# EAGLE board Mk4 Final Panel 6up 3x2 (EAGLE 9.0.1), part 8 of 18
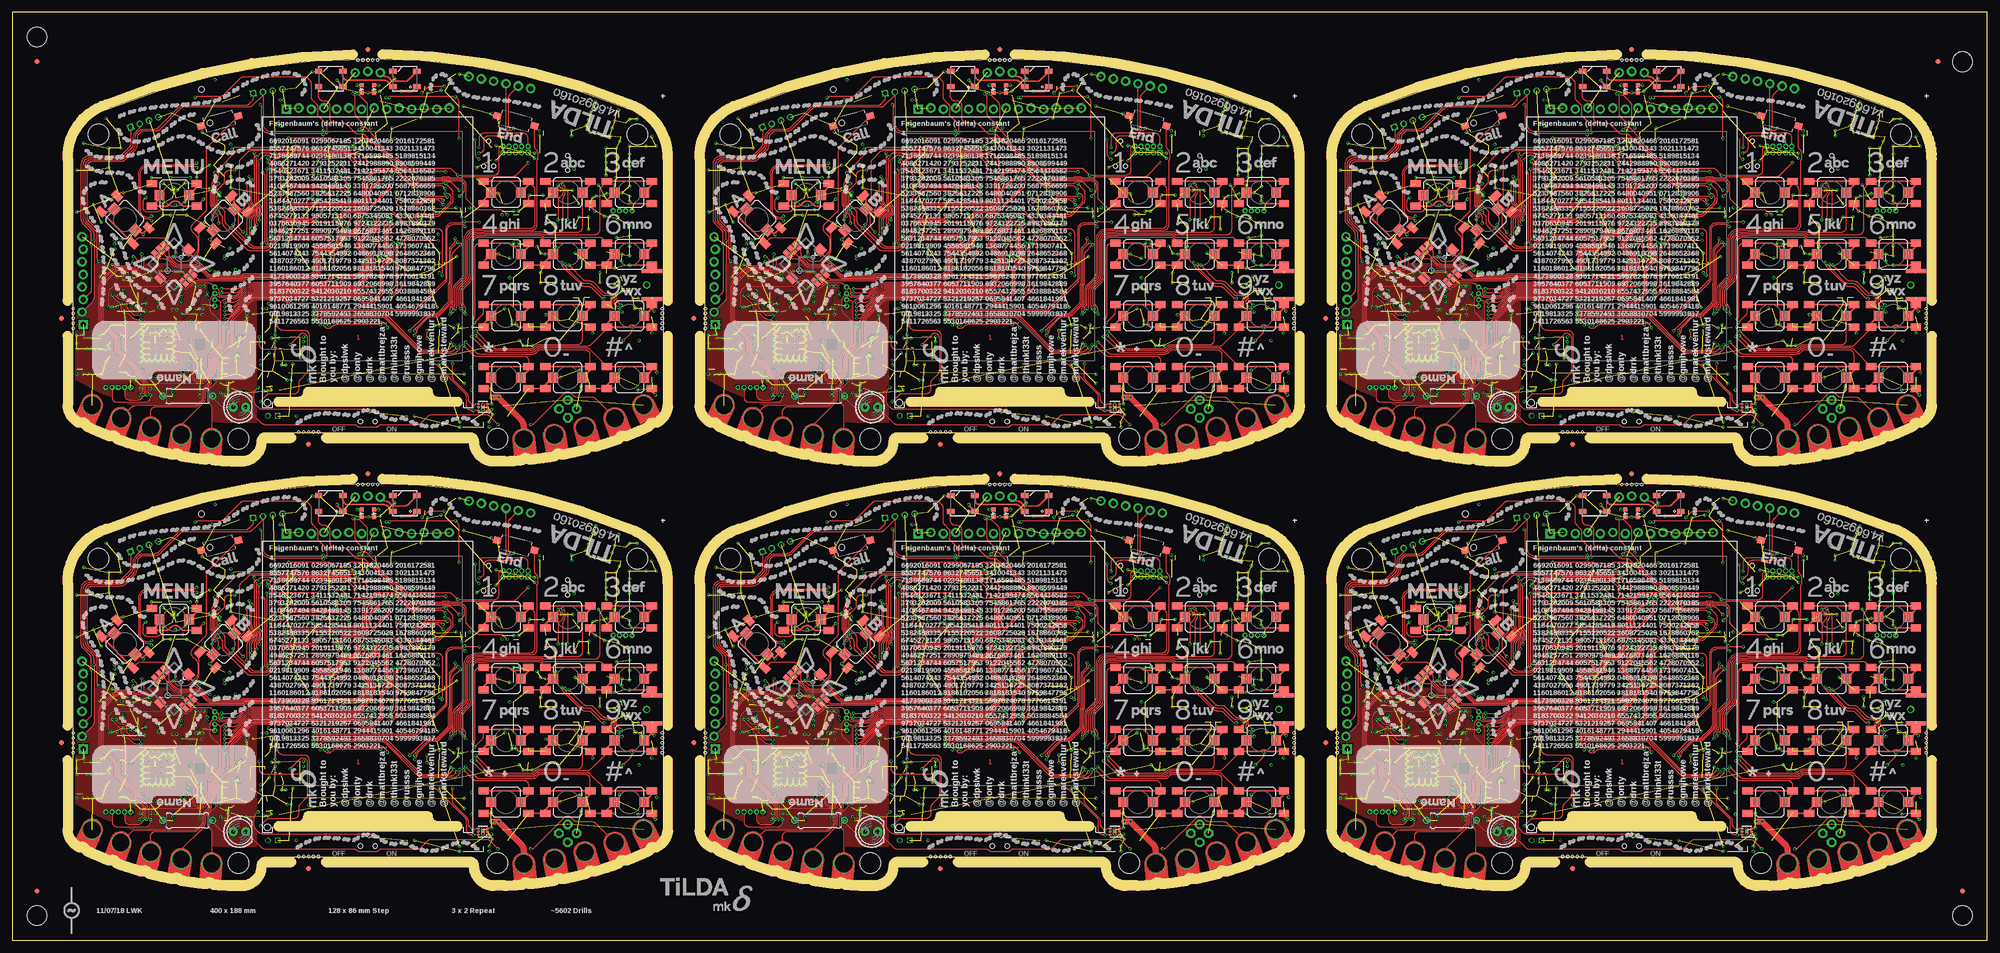
[diagram p0: board, top side]
## Tracks (layer width: path | path; a pad name or v marks a point on that pad's centre or on a via) (continued)
ETHLED5 (continued)
  Bottom 0.15: R164.2 57.5,164.01 arc45 57.79,163.31 57.81,163.29 arc-45 58.1,162.59 58.1,160.07 58.14,160.03 arc-90 58.14,158.97 58.1,158.93 58.1,155.32 58.14,155.28 arc-90 58.14,154.22 58.1,154.18 58.1,152.31 arc45 58.39,151.61 59.01,150.99 arc-45 59.3,150.29 59.3,149.8 arc90 60.3,148.8 IC38.43
ETHLED6
  Bottom 0.15: R241.2 184.5,164.51 arc45 184.79,163.81 185.51,163.09 arc-45 185.8,162.39 185.8,159.94 185.89,159.85 arc-90 185.89,159.15 185.8,159.06 185.8,155.19 185.89,155.1 arc-90 185.89,154.4 185.8,154.31 185.8,152.11 arc45 186.09,151.41 186.61,150.89 arc-45 186.9,150.19 186.9,149.4 arc90 187.9,148.4 IC56.42
ETHLED7
  Bottom 0.15: R242.2 185.5,164.01 arc45 185.79,163.31 185.81,163.29 arc-45 186.1,162.59 186.1,160.07 186.14,160.03 arc-90 186.14,158.97 186.1,158.93 186.1,155.32 186.14,155.28 arc-90 186.14,154.22 186.1,154.18 186.1,152.31 arc45 186.39,151.61 187.01,150.99 arc-45 187.3,150.29 187.3,149.8 arc90 188.3,148.8 IC56.43
ETHLED8
  Bottom 0.15: R319.2 312.5,78.51 arc45 312.79,77.81 313.51,77.09 arc-45 313.8,76.39 313.8,73.94 313.89,73.85 arc-90 313.89,73.15 313.8,73.06 313.8,69.19 313.89,69.1 arc-90 313.89,68.4 313.8,68.31 313.8,66.11 arc45 314.09,65.41 314.61,64.89 arc-45 314.9,64.19 314.9,63.4 arc90 315.9,62.4 IC74.42
ETHLED9
  Bottom 0.15: R320.2 313.5,78.01 arc45 313.79,77.31 313.81,77.29 arc-45 314.1,76.59 314.1,74.07 314.14,74.03 arc-90 314.14,72.97 314.1,72.93 314.1,69.32 314.14,69.28 arc-90 314.14,68.22 314.1,68.18 314.1,66.31 arc45 314.39,65.61 315.01,64.99 arc-45 315.3,64.29 315.3,63.8 arc90 316.3,62.8 IC74.43
ETHLED12
  Bottom 0.15: R475.2 312.5,164.51 arc45 312.79,163.81 313.51,163.09 arc-45 313.8,162.39 313.8,159.94 313.89,159.85 arc-90 313.89,159.15 313.8,159.06 313.8,155.19 313.89,155.1 arc-90 313.89,154.4 313.8,154.31 313.8,152.11 arc45 314.09,151.41 314.61,150.89 arc-45 314.9,150.19 314.9,149.4 arc90 315.9,148.4 IC110.42
ETHLED13
  Bottom 0.15: R476.2 313.5,164.01 arc45 313.79,163.31 313.81,163.29 arc-45 314.1,162.59 314.1,160.07 314.14,160.03 arc-90 314.14,158.97 314.1,158.93 314.1,155.32 314.14,155.28 arc-90 314.14,154.22 314.1,154.18 314.1,152.31 arc45 314.39,151.61 315.01,150.99 arc-45 315.3,150.29 315.3,149.8 arc90 316.3,148.8 IC110.43
FET
  Bottom 0.15: IC1.110 80.78,66 arc45 80.85,66.03 81.09,66.27 arc-45 81.17,66.3 83.58,66.3 arc-90 85.58,64.3 85.58,62.38 arc45 85.72,62.02 85.88,61.86 arc-45 86.03,61.51 86.03,61.25 arc45 86.32,60.54 95.23,51.63 arc-45 95.5,50.98 95.5,50
  Bottom 0.2: R59.1 115.41,25.25 arc-45 114.71,25.54 106.79,33.46 arc45 106.09,33.75 101.11,33.75 arc-45 100.41,34.04 95.79,38.66 arc-45 95.5,39.36 95.5,50
  Bottom 0.3: Q2.1 116.92,25.25 R59.1
FET1
  Bottom 0.15: IC20.110 208.78,66 arc45 208.85,66.03 209.09,66.27 arc-45 209.17,66.3 211.57,66.3 arc-90 213.57,64.3 213.57,62.38 arc45 213.72,62.02 213.88,61.86 arc-45 214.03,61.51 214.03,61.25 arc45 214.32,60.54 223.23,51.63 arc-45 223.5,50.98 223.5,50
  Bottom 0.2: R137.1 243.41,25.25 arc-45 242.71,25.54 234.79,33.46 arc45 234.09,33.75 229.11,33.75 arc-45 228.41,34.04 223.79,38.66 arc-45 223.5,39.36 223.5,50
  Bottom 0.3: Q5.1 244.93,25.25 R137.1
FET2
  Bottom 0.15: IC38.110 80.78,152 arc45 80.85,152.03 81.09,152.27 arc-45 81.17,152.3 83.58,152.3 arc-90 85.58,150.3 85.58,148.38 arc45 85.72,148.02 85.88,147.86 arc-45 86.03,147.51 86.03,147.25 arc45 86.32,146.54 95.23,137.63 arc-45 95.5,136.98 95.5,136
  Bottom 0.2: R215.1 115.41,111.25 arc-45 114.71,111.54 106.79,119.46 arc45 106.09,119.75 101.11,119.75 arc-45 100.41,120.04 95.79,124.66 arc-45 95.5,125.36 95.5,136
  Bottom 0.3: Q10.1 116.92,111.25 R215.1
FET3
  Bottom 0.15: IC56.110 208.78,152 arc45 208.85,152.03 209.09,152.27 arc-45 209.17,152.3 211.57,152.3 arc-90 213.57,150.3 213.57,148.38 arc45 213.72,148.02 213.88,147.86 arc-45 214.03,147.51 214.03,147.25 arc45 214.32,146.54 223.23,137.63 arc-45 223.5,136.98 223.5,136
  Bottom 0.2: R293.1 243.41,111.25 arc-45 242.71,111.54 234.79,119.46 arc45 234.09,119.75 229.11,119.75 arc-45 228.41,120.04 223.79,124.66 arc-45 223.5,125.36 223.5,136
  Bottom 0.3: Q14.1 244.93,111.25 R293.1
FET4
  Bottom 0.15: IC74.110 336.78,66 arc45 336.85,66.03 337.1,66.27 arc-45 337.17,66.3 339.57,66.3 arc-90 341.57,64.3 341.57,62.38 arc45 341.72,62.02 341.88,61.86 arc-45 342.02,61.51 342.02,61.25 arc45 342.32,60.54 351.23,51.63 arc-45 351.5,50.98 351.5,50
  Bottom 0.2: R371.1 371.41,25.25 arc-45 370.71,25.54 362.79,33.46 arc45 362.09,33.75 357.11,33.75 arc-45 356.41,34.04 351.79,38.66 arc-45 351.5,39.36 351.5,50
  Bottom 0.3: Q18.1 372.93,25.25 R371.1
FET6
  Bottom 0.15: IC110.110 336.78,152 arc45 336.85,152.03 337.1,152.27 arc-45 337.17,152.3 339.57,152.3 arc-90 341.57,150.3 341.57,148.38 arc45 341.72,148.02 341.88,147.86 arc-45 342.02,147.51 342.02,147.25 arc45 342.32,146.54 351.23,137.63 arc-45 351.5,136.98 351.5,136
  Bottom 0.2: R527.1 371.41,111.25 arc-45 370.71,111.54 362.79,119.46 arc45 362.09,119.75 357.11,119.75 arc-45 356.41,120.04 351.79,124.66 arc-45 351.5,125.36 351.5,136
  Bottom 0.3: Q26.1 372.93,111.25 R527.1
FET_OUT  (via drill 0.3)
  Top 0.25: LED5.K 50.45,18.82 arc45 51.16,18.52 69.11,18.52 arc-45 69.81,18.23 arc45 70.37,18 73.66,18 arc45 74.16,18.21 arc-45 74.87,18.5 82.09,18.5 arc45 82.79,18.79 84.21,20.21 arc-45 84.91,20.5 95.94,20.5 arc-45 96.64,20.21 v98.35,18.5 | v105,18.5 105.09,18.5 arc45 105.79,18.79 111.5,24.5 111.71,24.71 111.79,24.79 arc-90 113.21,24.79 113.71,24.29 arc45 114.41,24 117.4,24 arc-45 118.11,23.71 PCB.FET
  Bottom 0.25: v98.35,18.5 v105,18.5
  Bottom 0.4: Q2.3 118.92,23.3 arc45 119.22,22.59 120.91,20.91
  Bottom 0.5: 120.91,20.91 PCB.FET
FET_OUT1  (via drill 0.3)
  Top 0.25: LED11.K 178.45,18.82 arc45 179.16,18.52 197.11,18.52 arc-45 197.81,18.23 arc45 198.37,18 201.66,18 arc45 202.16,18.21 arc-45 202.87,18.5 210.09,18.5 arc45 210.79,18.79 212.21,20.21 arc-45 212.91,20.5 223.94,20.5 arc-45 224.64,20.21 v226.35,18.5 | v233,18.5 233.09,18.5 arc45 233.79,18.79 239.79,24.79 arc-90 241.21,24.79 241.71,24.29 arc45 242.41,24 245.4,24 arc-45 246.11,23.71 PCB1.FET
  Bottom 0.25: v226.35,18.5 v233,18.5
  Bottom 0.4: Q5.3 246.93,23.3 arc45 247.22,22.59 248.91,20.91
  Bottom 0.5: 248.91,20.91 PCB1.FET
FET_OUT2  (via drill 0.3)
  Top 0.25: LED17.K 50.45,104.82 arc45 51.16,104.53 69.11,104.53 arc-45 69.81,104.23 arc45 70.37,104 73.66,104 arc45 74.16,104.21 arc-45 74.87,104.5 82.09,104.5 arc45 82.79,104.79 84.21,106.21 arc-45 84.91,106.5 95.94,106.5 arc-45 96.64,106.21 v98.35,104.5 | v105,104.5 105.09,104.5 arc45 105.79,104.79 111.79,110.79 arc-90 113.21,110.79 113.71,110.29 arc45 114.41,110 117.4,110 arc-45 118.11,109.71 PCB2.FET
  Bottom 0.25: v98.35,104.5 v105,104.5
  Bottom 0.4: Q10.3 118.92,109.3 arc45 119.22,108.59 120.91,106.91
  Bottom 0.5: 120.91,106.91 PCB2.FET
FET_OUT3  (via drill 0.3)
  Top 0.25: LED23.K 178.45,104.82 arc45 179.16,104.53 197.11,104.53 arc-45 197.81,104.23 arc45 198.37,104 201.66,104 arc45 202.16,104.21 arc-45 202.87,104.5 210.09,104.5 arc45 210.79,104.79 212.21,106.21 arc-45 212.91,106.5 223.94,106.5 arc-45 224.64,106.21 v226.35,104.5 | v233,104.5 233.09,104.5 arc45 233.79,104.79 239.79,110.79 arc-90 241.21,110.79 241.71,110.29 arc45 242.41,110 245.4,110 arc-45 246.11,109.71 PCB3.FET
  Bottom 0.25: v226.35,104.5 v233,104.5
  Bottom 0.4: Q14.3 246.93,109.3 arc45 247.22,108.59 248.91,106.91
  Bottom 0.5: 248.91,106.91 PCB3.FET
FET_OUT4  (via drill 0.3)
  Top 0.25: LED29.K 306.45,18.82 arc45 307.16,18.52 325.11,18.52 arc-45 325.81,18.23 arc45 326.37,18 329.66,18 arc45 330.16,18.21 arc-45 330.87,18.5 338.09,18.5 arc45 338.79,18.79 340.21,20.21 arc-45 340.91,20.5 351.94,20.5 arc-45 352.64,20.21 v354.35,18.5 | v361,18.5 361.09,18.5 arc45 361.79,18.79 367.79,24.79 arc-90 369.21,24.79 369.71,24.29 arc45 370.41,24 373.4,24 arc-45 374.11,23.71 PCB4.FET
  Bottom 0.25: v354.35,18.5 v361,18.5
  Bottom 0.4: Q18.3 374.93,23.3 arc45 375.22,22.59 376.91,20.91
  Bottom 0.5: 376.91,20.91 PCB4.FET
FET_OUT6  (via drill 0.3)
  Top 0.25: LED41.K 306.45,104.82 arc45 307.16,104.53 325.11,104.53 arc-45 325.81,104.23 arc45 326.37,104 329.66,104 arc45 330.16,104.21 arc-45 330.87,104.5 338.09,104.5 arc45 338.79,104.79 340.21,106.21 arc-45 340.91,106.5 351.94,106.5 arc-45 352.64,106.21 v354.35,104.5 | v361,104.5 361.09,104.5 arc45 361.79,104.79 367.79,110.79 arc-90 369.21,110.79 369.71,110.29 arc45 370.41,110 373.4,110 arc-45 374.11,109.71 PCB6.FET
  Bottom 0.25: v354.35,104.5 v361,104.5
  Bottom 0.4: Q26.3 374.93,109.3 arc45 375.22,108.59 376.91,106.91
  Bottom 0.5: 376.91,106.91 PCB6.FET
FLASH_!CS  (via drill 0.3)
  Top 0.15: v25.75,24.5 26.23,24.98 arc45 26.52,25.69 26.52,26.73 arc45 26.23,27.44 24.9,28.77 arc-45 24.83,28.95 24.83,29.22 arc45 24.75,29.4 21.31,32.84 arc-45 20.8,34.08 20.8,35.29 arc45 20.51,35.99 18.01,38.49 arc-45 17.5,39.73 17.5,46.48 arc-45 18.01,47.71 20.46,50.16 arc-45 21.7,50.67 23.26,50.67 arc45 23.97,50.97 v24.5,51.5
  Bottom 0.15: JP1.3 21.48,24.5 arc90 22.48,23.5 24.34,23.5 arc45 25.04,23.79 v25.75,24.5 26.28,25.03 arc45 26.58,25.74 26.58,28.94 arc-45 26.63,29.08 26.72,29.16 arc45 26.77,29.3 26.77,29.66 26.75,29.68 IC15.14
  Bottom 0.2: R67.1 22.5,50.22 IC14.1 23.34,50.34 v24.5,51.5
FLASH_!CS1  (via drill 0.3)
  Top 0.15: v153.75,24.5 154.23,24.98 arc45 154.53,25.69 154.53,26.73 arc45 154.23,27.44 152.9,28.77 arc-45 152.82,28.95 152.82,29.22 arc45 152.75,29.4 149.31,32.84 arc-45 148.8,34.08 148.8,35.29 arc45 148.51,35.99 146.01,38.49 arc-45 145.5,39.73 145.5,46.48 arc-45 146.01,47.71 148.46,50.16 arc-45 149.7,50.67 151.26,50.67 arc45 151.97,50.97 v152.5,51.5
  Bottom 0.15: JP15.3 149.48,24.5 arc90 150.48,23.5 152.34,23.5 arc45 153.04,23.79 v153.75,24.5 154.28,25.03 arc45 154.57,25.74 154.57,28.94 arc-45 154.63,29.08 154.72,29.16 arc45 154.78,29.3 154.78,29.66 154.75,29.68 IC29.14
  Bottom 0.2: R145.1 150.5,50.22 IC30.1 151.34,50.34 v152.5,51.5
FLASH_!CS2  (via drill 0.3)
  Top 0.15: v25.75,110.5 26.23,110.98 arc45 26.52,111.69 26.52,112.73 arc45 26.23,113.44 24.9,114.78 arc-45 24.83,114.95 24.83,115.22 arc45 24.75,115.4 21.31,118.84 arc-45 20.8,120.08 20.8,121.29 arc45 20.51,121.99 18.01,124.49 arc-45 17.5,125.73 17.5,132.47 arc-45 18.01,133.71 20.46,136.16 arc-45 21.7,136.68 23.26,136.68 arc45 23.97,136.97 v24.5,137.5
  Bottom 0.15: JP24.3 21.48,110.5 arc90 22.48,109.5 24.34,109.5 arc45 25.04,109.79 v25.75,110.5 26.28,111.03 arc45 26.58,111.74 26.58,114.94 arc-45 26.63,115.08 26.72,115.16 arc45 26.77,115.3 26.77,115.66 26.75,115.68 IC47.14
  Bottom 0.2: R223.1 22.5,136.22 IC48.1 23.34,136.34 v24.5,137.5
FLASH_!CS3  (via drill 0.3)
  Top 0.15: v153.75,110.5 154.23,110.98 arc45 154.53,111.69 154.53,112.73 arc45 154.23,113.44 152.9,114.78 arc-45 152.82,114.95 152.82,115.22 arc45 152.75,115.4 149.31,118.84 arc-45 148.8,120.08 148.8,121.29 arc45 148.51,121.99 146.01,124.49 arc-45 145.5,125.73 145.5,132.47 arc-45 146.01,133.71 148.46,136.16 arc-45 149.7,136.68 151.26,136.68 arc45 151.97,136.97 v152.5,137.5
  Bottom 0.15: JP33.3 149.48,110.5 arc90 150.48,109.5 152.34,109.5 arc45 153.04,109.79 v153.75,110.5 154.28,111.03 arc45 154.57,111.74 154.57,114.94 arc-45 154.63,115.08 154.72,115.16 arc45 154.78,115.3 154.78,115.66 154.75,115.68 IC65.14
  Bottom 0.2: R301.1 150.5,136.22 IC66.1 151.34,136.34 v152.5,137.5
FLASH_!CS4  (via drill 0.3)
  Top 0.15: v281.75,24.5 282.23,24.98 arc45 282.52,25.69 282.52,26.73 arc45 282.23,27.44 280.9,28.77 arc-45 280.82,28.95 280.82,29.22 arc45 280.75,29.4 277.31,32.84 arc-45 276.8,34.08 276.8,35.29 arc45 276.51,35.99 274.01,38.49 arc-45 273.5,39.73 273.5,46.48 arc-45 274.01,47.71 276.46,50.16 arc-45 277.7,50.67 279.26,50.67 arc45 279.97,50.97 v280.5,51.5
  Bottom 0.15: JP42.3 277.48,24.5 arc90 278.48,23.5 280.34,23.5 arc45 281.04,23.79 v281.75,24.5 282.28,25.03 arc45 282.57,25.74 282.57,28.94 arc-45 282.63,29.08 282.72,29.16 arc45 282.77,29.3 282.77,29.66 282.75,29.68 IC83.14
  Bottom 0.2: R379.1 278.5,50.22 IC84.1 279.35,50.34 v280.5,51.5
FLASH_!CS6  (via drill 0.3)
  Top 0.15: v281.75,110.5 282.23,110.98 arc45 282.52,111.69 282.52,112.73 arc45 282.23,113.44 280.9,114.78 arc-45 280.82,114.95 280.82,115.22 arc45 280.75,115.4 277.31,118.84 arc-45 276.8,120.08 276.8,121.29 arc45 276.51,121.99 274.01,124.49 arc-45 273.5,125.73 273.5,132.47 arc-45 274.01,133.71 276.46,136.16 arc-45 277.7,136.68 279.26,136.68 arc45 279.97,136.97 v280.5,137.5
  Bottom 0.15: JP60.3 277.48,110.5 arc90 278.48,109.5 280.34,109.5 arc45 281.04,109.79 v281.75,110.5 282.28,111.03 arc45 282.57,111.74 282.57,114.94 arc-45 282.63,115.08 282.72,115.16 arc45 282.77,115.3 282.77,115.66 282.75,115.68 IC119.14
  Bottom 0.2: R535.1 278.5,136.22 IC120.1 279.35,136.34 v280.5,137.5
FLASH_!HOLD
  Bottom 0.2: R9.2 81.31,55.75 IC6.7
FLASH_!HOLD1
  Bottom 0.2: R93.2 209.31,55.75 IC22.7
FLASH_!HOLD2
  Bottom 0.2: R171.2 81.31,141.75 IC40.7
FLASH_!HOLD3
  Bottom 0.2: R249.2 209.31,141.75 IC58.7
FLASH_!HOLD4
  Bottom 0.2: R327.2 337.31,55.75 IC76.7
FLASH_!HOLD6
  Bottom 0.2: R483.2 337.31,141.75 IC112.7
FLASH_!WP
  Bottom 0.2: IC6.3 89.73,54.52 R10.2
FLASH_!WP1
  Bottom 0.2: IC22.3 217.74,54.52 R94.2
FLASH_!WP2
  Bottom 0.2: IC40.3 89.73,140.51 R172.2
FLASH_!WP3
  Bottom 0.2: IC58.3 217.74,140.51 R250.2
FLASH_!WP4
  Bottom 0.2: IC76.3 345.74,54.52 R328.2
FLASH_!WP6
  Bottom 0.2: IC112.3 345.74,140.51 R484.2
FLASH_CLK  (via drill 0.3)
  Top 0.15: v26.75,52.25 26.75,51.02 arc-90 25.5,49.77 21.76,49.77 arc45 21.05,49.48 18.69,47.12 arc45 18.4,46.41 18.4,39.81 arc45 18.69,39.11 21.49,36.31 arc-45 21.7,35.8 21.7,34.14 arc45 21.99,33.43 25.65,29.77 arc-45 25.73,29.59 25.73,29.32 arc45 25.8,29.15 26.96,27.98 arc-45 27.48,26.75 27.48,25.44 arc45 27.77,24.73 v28,24.5 28,24 arc-90 27,23 21.21,23 arc-90 20.21,24 JP1.4
  Bottom 0.15: IC15.11 28.25,29.84 arc-45 27.96,29.13 27.77,28.94 arc45 27.48,28.23 27.48,25.44 arc45 27.77,24.73 v28,24.5
  Bottom 0.2: IC14.6 27.8,52.88 arc45 27.09,52.59 v26.75,52.25
FLASH_CLK1  (via drill 0.3)
  Top 0.15: v154.75,52.25 154.75,51.02 arc-90 153.5,49.77 149.76,49.77 arc45 149.06,49.48 146.69,47.12 arc45 146.4,46.41 146.4,39.81 arc45 146.69,39.11 149.49,36.31 arc-45 149.7,35.8 149.7,34.14 arc45 149.99,33.43 153.65,29.77 arc-45 153.72,29.59 153.72,29.32 arc45 153.8,29.15 154.96,27.98 arc-45 155.47,26.75 155.47,25.44 arc45 155.77,24.73 v156,24.5 156,24 arc-90 155,23 149.21,23 arc-90 148.21,24 JP15.4
  Bottom 0.15: IC29.11 156.25,29.84 arc-45 155.96,29.13 155.77,28.94 arc45 155.47,28.23 155.47,25.44 arc45 155.77,24.73 v156,24.5
  Bottom 0.2: IC30.6 155.8,52.88 arc45 155.09,52.59 v154.75,52.25
FLASH_CLK2  (via drill 0.3)
  Top 0.15: v26.75,138.25 26.75,137.03 arc-90 25.5,135.78 21.76,135.78 arc45 21.05,135.48 18.69,133.12 arc45 18.4,132.41 18.4,125.81 arc45 18.69,125.11 21.49,122.31 arc-45 21.7,121.8 21.7,120.14 arc45 21.99,119.43 25.65,115.77 arc-45 25.73,115.59 25.73,115.33 arc45 25.8,115.15 26.96,113.98 arc-45 27.48,112.75 27.48,111.44 arc45 27.77,110.73 v28,110.5 28,110 arc-90 27,109 21.21,109 arc-90 20.21,110 JP24.4
  Bottom 0.15: IC47.11 28.25,115.84 arc-45 27.96,115.13 27.77,114.94 arc45 27.48,114.23 27.48,111.44 arc45 27.77,110.73 v28,110.5
  Bottom 0.2: IC48.6 27.8,138.88 arc45 27.09,138.59 v26.75,138.25
FLASH_CLK3  (via drill 0.3)
  Top 0.15: v154.75,138.25 154.75,137.03 arc-90 153.5,135.78 149.76,135.78 arc45 149.06,135.48 146.69,133.12 arc45 146.4,132.41 146.4,125.81 arc45 146.69,125.11 149.49,122.31 arc-45 149.7,121.8 149.7,120.14 arc45 149.99,119.43 153.65,115.77 arc-45 153.72,115.59 153.72,115.33 arc45 153.8,115.15 154.96,113.98 arc-45 155.47,112.75 155.47,111.44 arc45 155.77,110.73 v156,110.5 156,110 arc-90 155,109 149.21,109 arc-90 148.21,110 JP33.4
  Bottom 0.15: IC65.11 156.25,115.84 arc-45 155.96,115.13 155.77,114.94 arc45 155.47,114.23 155.47,111.44 arc45 155.77,110.73 v156,110.5
  Bottom 0.2: IC66.6 155.8,138.88 arc45 155.09,138.59 v154.75,138.25
FLASH_CLK4  (via drill 0.3)
  Top 0.15: v282.75,52.25 282.75,51.02 arc-90 281.5,49.77 277.76,49.77 arc45 277.06,49.48 274.69,47.12 arc45 274.4,46.41 274.4,39.81 arc45 274.69,39.11 277.49,36.31 arc-45 277.7,35.8 277.7,34.14 arc45 277.99,33.43 281.65,29.77 arc-45 281.73,29.59 281.73,29.32 arc45 281.8,29.15 282.96,27.98 arc-45 283.48,26.75 283.48,25.44 arc45 283.77,24.73 v284,24.5 284,24 arc-90 283,23 277.21,23 arc-90 276.21,24 JP42.4
  Bottom 0.15: IC83.11 284.25,29.84 arc-45 283.96,29.13 283.77,28.94 arc45 283.48,28.23 283.48,25.44 arc45 283.77,24.73 v284,24.5
  Bottom 0.2: IC84.6 283.8,52.88 arc45 283.09,52.59 v282.75,52.25
FLASH_CLK6  (via drill 0.3)
  Top 0.15: v282.75,138.25 282.75,137.03 arc-90 281.5,135.78 277.76,135.78 arc45 277.06,135.48 274.69,133.12 arc45 274.4,132.41 274.4,125.81 arc45 274.69,125.11 277.49,122.31 arc-45 277.7,121.8 277.7,120.14 arc45 277.99,119.43 281.65,115.77 arc-45 281.73,115.59 281.73,115.33 arc45 281.8,115.15 282.96,113.98 arc-45 283.48,112.75 283.48,111.44 arc45 283.77,110.73 v284,110.5 284,110 arc-90 283,109 277.21,109 arc-90 276.21,110 JP60.4
  Bottom 0.15: IC119.11 284.25,115.84 arc-45 283.96,115.13 283.77,114.94 arc45 283.48,114.23 283.48,111.44 arc45 283.77,110.73 v284,110.5
  Bottom 0.2: IC120.6 283.8,138.88 arc45 283.09,138.59 v282.75,138.25
FLASH_MISO  (via drill 0.3)
  Top 0.15: v24.5,52.5 arc-45 24.84,52.36 25.11,52.09 arc-45 25.4,51.39 25.4,51.38 arc-90 24.4,50.38 21.72,50.38 arc45 20.66,49.94 18.24,47.52 arc45 17.8,46.45 17.8,39.75 arc45 18.24,38.69 20.73,36.19 arc-45 21.1,35.31 21.1,34.1 arc45 21.54,33.03 25.05,29.52 arc-45 25.12,29.35 25.12,29.08 arc45 25.2,28.9 26.46,27.64 arc-45 26.83,26.76 26.83,25.24 arc-45 26.53,24.53 v26.5,24.5 arc-90 25.5,23.5 23.75,23.5 arc-90 22.75,24.5 JP1.2
  Bottom 0.15: 26.5,24.6 v26.5,24.5 26.5,24.71 arc-45 26.58,24.91 arc45 26.88,25.62 26.88,28.48 arc-45 27.17,29.19 arc45 27.25,29.39 IC15.13
  Bottom 0.2: IC14.2 23.2,51.62 arc45 23.91,51.91 v24.5,52.5
FLASH_MISO1  (via drill 0.3)
  Top 0.15: v152.5,52.5 arc-45 152.84,52.36 153.11,52.09 arc-45 153.4,51.39 153.4,51.38 arc-90 152.4,50.38 149.72,50.38 arc45 148.66,49.94 146.24,47.52 arc45 145.8,46.45 145.8,39.75 arc45 146.24,38.69 148.73,36.19 arc-45 149.1,35.31 149.1,34.1 arc45 149.54,33.03 153.05,29.52 arc-45 153.12,29.35 153.12,29.08 arc45 153.2,28.9 154.46,27.64 arc-45 154.82,26.76 154.82,25.24 arc-45 154.53,24.53 v154.5,24.5 arc-90 153.5,23.5 151.75,23.5 arc-90 150.75,24.5 JP15.2
  Bottom 0.15: 154.5,24.6 v154.5,24.5 154.5,24.71 arc-45 154.58,24.91 arc45 154.88,25.62 154.88,28.48 arc-45 155.17,29.19 arc45 155.25,29.39 IC29.13
  Bottom 0.2: IC30.2 151.2,51.62 arc45 151.91,51.91 v152.5,52.5
FLASH_MISO2  (via drill 0.3)
  Top 0.15: v24.5,138.5 arc-45 24.84,138.36 25.11,138.09 arc-45 25.4,137.39 25.4,137.38 arc-90 24.4,136.38 21.72,136.38 arc45 20.66,135.94 18.24,133.51 arc45 17.8,132.45 17.8,125.75 arc45 18.24,124.69 20.73,122.19 arc-45 21.1,121.31 21.1,120.1 arc45 21.54,119.03 25.05,115.52 arc-45 25.12,115.35 25.12,115.08 arc45 25.2,114.9 26.46,113.64 arc-45 26.83,112.75 26.83,111.24 arc-45 26.53,110.53 v26.5,110.5 arc-90 25.5,109.5 23.75,109.5 arc-90 22.75,110.5 JP24.2
  Bottom 0.15: 26.5,110.6 v26.5,110.5 26.5,110.71 arc-45 26.58,110.91 arc45 26.88,111.61 26.88,114.48 arc-45 27.17,115.19 arc45 27.25,115.39 IC47.13
  Bottom 0.2: IC48.2 23.2,137.62 arc45 23.91,137.91 v24.5,138.5
FLASH_MISO3  (via drill 0.3)
  Top 0.15: v152.5,138.5 arc-45 152.84,138.36 153.11,138.09 arc-45 153.4,137.39 153.4,137.38 arc-90 152.4,136.38 149.72,136.38 arc45 148.66,135.94 146.24,133.51 arc45 145.8,132.45 145.8,125.75 arc45 146.24,124.69 148.73,122.19 arc-45 149.1,121.31 149.1,120.1 arc45 149.54,119.03 153.05,115.52 arc-45 153.12,115.35 153.12,115.08 arc45 153.2,114.9 154.46,113.64 arc-45 154.82,112.75 154.82,111.24 arc-45 154.53,110.53 v154.5,110.5 arc-90 153.5,109.5 151.75,109.5 arc-90 150.75,110.5 JP33.2
  Bottom 0.15: 154.5,110.6 v154.5,110.5 154.5,110.71 arc-45 154.58,110.91 arc45 154.88,111.61 154.88,114.48 arc-45 155.17,115.19 arc45 155.25,115.39 IC65.13
  Bottom 0.2: IC66.2 151.2,137.62 arc45 151.91,137.91 v152.5,138.5
FLASH_MISO4  (via drill 0.3)
  Top 0.15: v280.5,52.5 arc-45 280.84,52.36 281.11,52.09 arc-45 281.4,51.39 281.4,51.38 arc-90 280.4,50.38 277.72,50.38 arc45 276.66,49.94 274.24,47.52 arc45 273.8,46.45 273.8,39.75 arc45 274.24,38.69 276.73,36.19 arc-45 277.1,35.31 277.1,34.1 arc45 277.54,33.03 281.05,29.52 arc-45 281.12,29.35 281.12,29.08 arc45 281.2,28.9 282.46,27.64 arc-45 282.82,26.76 282.82,25.24 arc-45 282.53,24.53 v282.5,24.5 arc-90 281.5,23.5 279.75,23.5 arc-90 278.75,24.5 JP42.2
  Bottom 0.15: 282.5,24.6 v282.5,24.5 282.5,24.71 arc-45 282.58,24.91 arc45 282.88,25.62 282.88,28.48 arc-45 283.17,29.19 arc45 283.25,29.39 IC83.13
  Bottom 0.2: IC84.2 279.2,51.62 arc45 279.91,51.91 v280.5,52.5
FLASH_MISO6  (via drill 0.3)
  Top 0.15: v280.5,138.5 arc-45 280.84,138.36 281.11,138.09 arc-45 281.4,137.39 281.4,137.38 arc-90 280.4,136.38 277.72,136.38 arc45 276.66,135.94 274.24,133.51 arc45 273.8,132.45 273.8,125.75 arc45 274.24,124.69 276.73,122.19 arc-45 277.1,121.31 277.1,120.1 arc45 277.54,119.03 281.05,115.52 arc-45 281.12,115.35 281.12,115.08 arc45 281.2,114.9 282.46,113.64 arc-45 282.82,112.75 282.82,111.24 arc-45 282.53,110.53 v282.5,110.5 arc-90 281.5,109.5 279.75,109.5 arc-90 278.75,110.5 JP60.2
  Bottom 0.15: 282.5,110.6 v282.5,110.5 282.5,110.71 arc-45 282.58,110.91 arc45 282.88,111.61 282.88,114.48 arc-45 283.17,115.19 arc45 283.25,115.39 IC119.13
  Bottom 0.2: IC120.2 279.2,137.62 arc45 279.91,137.91 v280.5,138.5
FLASH_MOSI  (via drill 0.3)
  Top 0.15: v27.25,24.5 arc-45 27.12,24.8 27.12,26.78 arc45 26.69,27.84 25.5,29.02 arc-45 25.42,29.2 25.42,29.47 arc45 25.35,29.65 21.77,33.23 arc-45 21.4,34.12 21.4,35.33 arc45 20.96,36.39 18.47,38.88 arc-45 18.1,39.77 18.1,46.43 arc-45 18.47,47.32 20.86,49.71 arc-45 21.74,50.08 25.2,50.08 arc90 26.2,51.08 26.2,52.95 v26.25,53
  Bottom 0.15: 27.17,24.57 v27.25,24.5 | JP1.5 18.94,25.56 21.21,23.29 arc45 21.91,23 26.02,23 arc90 27.02,24 27.02,24.21 arc-45 27.17,24.57 | IC15.12 27.75,29.75 arc-45 27.47,29.07 arc45 27.17,28.36 27.17,24.57
  Bottom 0.2: IC14.5 27.82,54.16 arc45 27.11,53.86 v26.25,53
FLASH_MOSI1  (via drill 0.3)
  Top 0.15: v155.25,24.5 arc-45 155.12,24.8 155.12,26.78 arc45 154.69,27.84 153.5,29.02 arc-45 153.43,29.2 153.43,29.47 arc45 153.35,29.65 149.77,33.23 arc-45 149.4,34.12 149.4,35.33 arc45 148.96,36.39 146.47,38.88 arc-45 146.1,39.77 146.1,46.43 arc-45 146.47,47.32 148.86,49.71 arc-45 149.74,50.08 153.2,50.08 arc90 154.2,51.08 154.2,52.95 v154.25,53
  Bottom 0.15: 155.18,24.57 v155.25,24.5 | JP15.5 146.94,25.56 149.21,23.29 arc45 149.91,23 154.03,23 arc90 155.03,24 155.03,24.21 arc-45 155.18,24.57 | IC29.12 155.75,29.75 arc-45 155.47,29.07 arc45 155.18,28.36 155.18,24.57
  Bottom 0.2: IC30.5 155.82,54.16 arc45 155.11,53.86 v154.25,53
FLASH_MOSI2  (via drill 0.3)
  Top 0.15: v27.25,110.5 arc-45 27.12,110.8 27.12,112.78 arc45 26.69,113.84 25.5,115.02 arc-45 25.42,115.2 25.42,115.47 arc45 25.35,115.65 21.77,119.23 arc-45 21.4,120.12 21.4,121.33 arc45 20.96,122.39 18.47,124.88 arc-45 18.1,125.77 18.1,132.43 arc-45 18.47,133.32 20.86,135.71 arc-45 21.74,136.07 25.2,136.07 arc90 26.2,137.07 26.2,138.95 v26.25,139
  Bottom 0.15: 27.17,110.58 v27.25,110.5 | JP24.5 18.94,111.56 21.21,109.29 arc45 21.91,109 26.02,109 arc90 27.02,110 27.02,110.21 arc-45 27.17,110.58 | IC47.12 27.75,115.75 arc-45 27.47,115.07 arc45 27.17,114.36 27.17,110.58
  Bottom 0.2: IC48.5 27.82,140.16 arc45 27.11,139.86 v26.25,139
FLASH_MOSI3  (via drill 0.3)
  Top 0.15: v155.25,110.5 arc-45 155.12,110.8 155.12,112.78 arc45 154.69,113.84 153.5,115.02 arc-45 153.43,115.2 153.43,115.47 arc45 153.35,115.65 149.77,119.23 arc-45 149.4,120.12 149.4,121.33 arc45 148.96,122.39 146.47,124.88 arc-45 146.1,125.77 146.1,132.43 arc-45 146.47,133.32 148.86,135.71 arc-45 149.74,136.07 153.2,136.07 arc90 154.2,137.07 154.2,138.95 v154.25,139
  Bottom 0.15: 155.18,110.58 v155.25,110.5 | JP33.5 146.94,111.56 149.21,109.29 arc45 149.91,109 154.03,109 arc90 155.03,110 155.03,110.21 arc-45 155.18,110.58 | IC65.12 155.75,115.75 arc-45 155.47,115.07 arc45 155.18,114.36 155.18,110.58
  Bottom 0.2: IC66.5 155.82,140.16 arc45 155.11,139.86 v154.25,139
FLASH_MOSI4  (via drill 0.3)
  Top 0.15: v283.25,24.5 arc-45 283.12,24.8 283.12,26.78 arc45 282.69,27.84 281.5,29.02 arc-45 281.43,29.2 281.43,29.47 arc45 281.35,29.65 277.77,33.23 arc-45 277.4,34.12 277.4,35.33 arc45 276.96,36.39 274.47,38.88 arc-45 274.1,39.77 274.1,46.43 arc-45 274.47,47.32 276.86,49.71 arc-45 277.74,50.08 281.2,50.08 arc90 282.2,51.08 282.2,52.95 v282.25,53
  Bottom 0.15: 283.18,24.57 v283.25,24.5 | JP42.5 274.94,25.56 277.21,23.29 arc45 277.91,23 282.02,23 arc90 283.02,24 283.02,24.21 arc-45 283.18,24.57 | IC83.12 283.75,29.75 arc-45 283.47,29.07 arc45 283.18,28.36 283.18,24.57
  Bottom 0.2: IC84.5 283.82,54.16 arc45 283.11,53.86 v282.25,53
FLASH_MOSI6  (via drill 0.3)
  Top 0.15: v283.25,110.5 arc-45 283.12,110.8 283.12,112.78 arc45 282.69,113.84 281.5,115.02 arc-45 281.43,115.2 281.43,115.47 arc45 281.35,115.65 277.77,119.23 arc-45 277.4,120.12 277.4,121.33 arc45 276.96,122.39 274.47,124.88 arc-45 274.1,125.77 274.1,132.43 arc-45 274.47,133.32 276.86,135.71 arc-45 277.74,136.07 281.2,136.07 arc90 282.2,137.07 282.2,138.95 v282.25,139